# Altium PCB BCS1_REV2.2.PcbDoc (part 4 of 4) (continued)
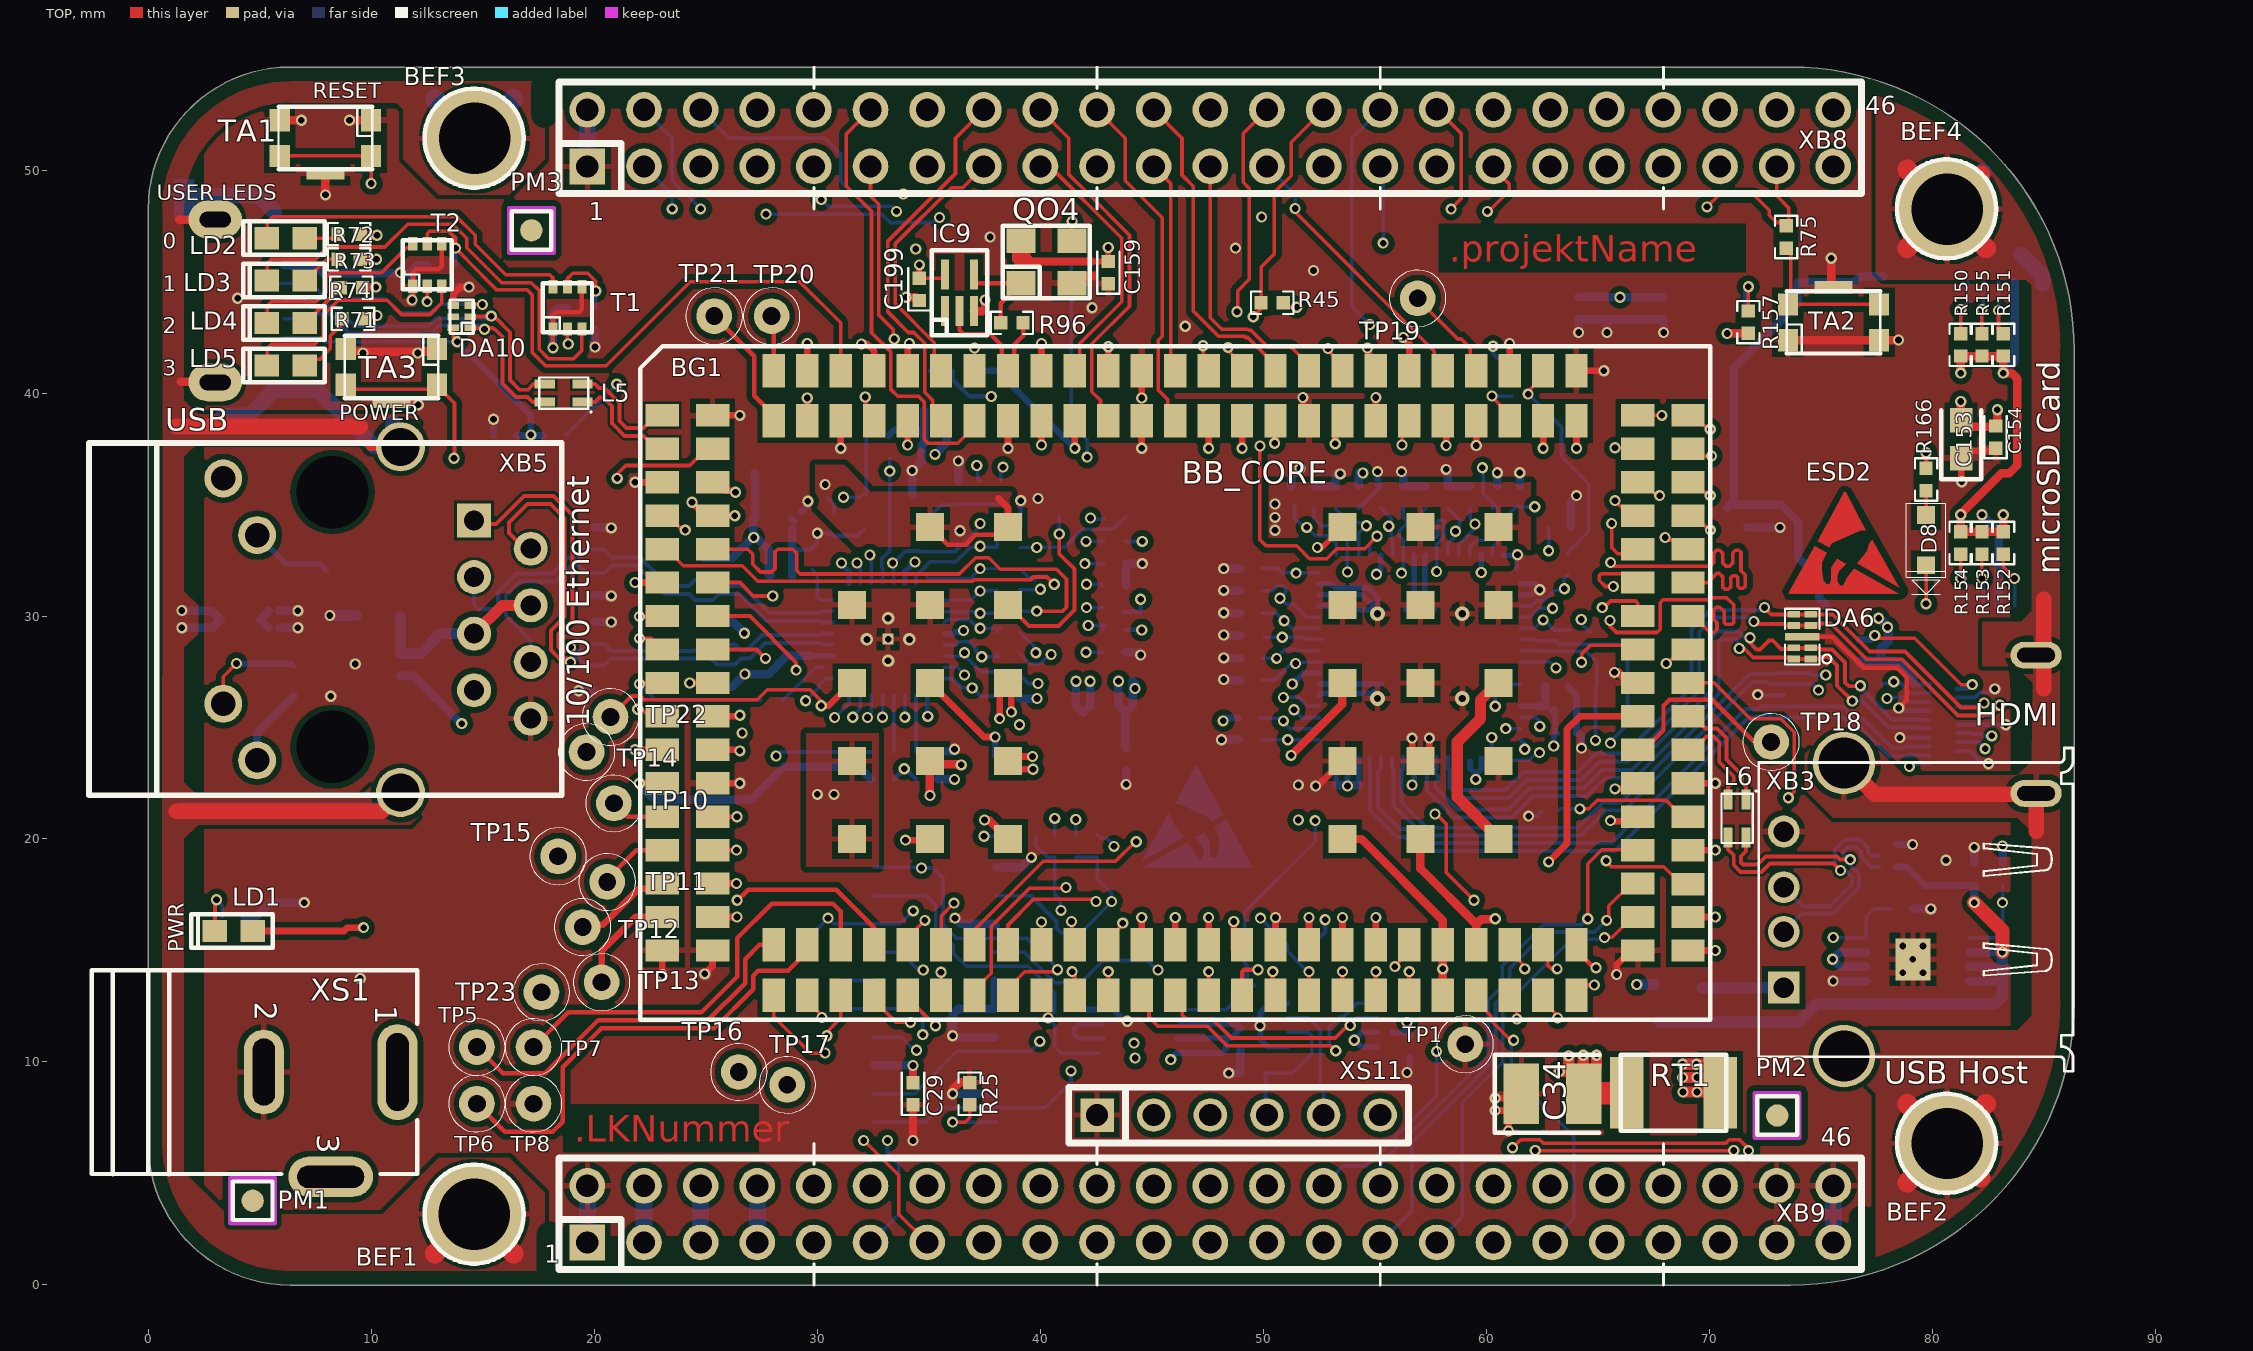
[diagram p0: TOP view]
## Polygon pours and split planes (outlines as drawn)
PE2 on BOTTOM "BOTTOM-GND_EARTH" (solid, remove dead copper, pour order 77): 77.47,52.387 77.46,52.398 77.46,53.361 cw(c73.66,41.91) 85.725,41.91 85.725,41.783 84.425,41.725 84.455,44.831 84.201,45.085 77.788,45.085 77.47,45.402
PE1 on BOTTOM "BOTTOM-GND_EARTH" (solid, remove dead copper, pour order 78): 6.35,0.635 17.648,0.635 17.648,2.25 17.78,2.626 17.78,4.127 16.192,5.715 13.018,5.715 10.477,3.175 3.492,3.175 1.587,5.08 1.587,20.002 2.222,20.637 11.747,20.637 12.383,21.273 12.383,22.543 11.747,23.177 10.795,23.177 9.525,21.907 2.222,21.907 1.587,22.543 1.587,28.575 2.222,29.21 2.222,30.48 1.587,31.115 1.587,37.148 2.222,37.782 9.525,37.782 10.795,36.512 11.747,36.512 12.383,37.148 12.383,38.417 11.747,39.052 9.131,39.052 8.077,40.107 1.587,40.107 1.587,48.26 cw(c6.35,48.26) 6.35,53.023 11.112,53.023 11.43,52.705 11.43,50.482 12.383,49.725 13.018,48.895 16.192,48.895 17.78,50.482 17.78,52.124 17.648,52.5 17.648,53.975 6.35,53.975 ccw(c6.35,48.26) 0.635,48.26 0.635,6.35 ccw(c6.35,6.35)
VDD_3V3B on BOTTOM "BOTTOM-VDD_3V3B 28" (solid, pour order 76): 30.365,34.092 29.702,34.755 29.702,34.95 29.719,34.972 29.735,34.996 29.749,35.022 29.76,35.048 29.769,35.076 29.776,35.104 29.78,35.132 29.782,35.161 29.781,35.19 29.778,35.219 29.772,35.247 29.764,35.275 29.753,35.301 29.74,35.327 29.725,35.352 29.708,35.375 29.702,35.382 29.702,35.801 28.749,35.801 28.749,37.071 30.654,37.071 30.972,36.753 30.972,34.092 30.365,34.092
DGND on BOTTOM "DGND" (solid, remove dead copper, pour order 80): 5,52.75 17.648,52.75 17.648,52.5 ccw(c17.837,52.938) 18.275,52.75 ccw(c18.688,52.913) 18.852,52.5 18.852,52.75 77.25,52.75 77.25,51.875 77.25,50.65 cw(c985.573,533.427) 77.46,51.228 77.46,52.75 78,52.75 83.5,47.25 83.5,8.25 77.46,2.21 ccw(c77.301,1.564) 77.2,2.221 ccw(c77.142,1.778) 77.025,2.21 ccw(c76.9,1.583) 76.775,2.21 ccw(c76.65,1.583) 76.525,2.21 ccw(c76.391,1.537) 76.257,2.21 18.852,2.21 ccw(c18.642,0.698) 18.55,2.221 ccw(c18.417,0.838) 18.275,2.221 ccw(c18.122,-0.778) 17.975,2.221 ccw(c17.815,-1.06) 17.648,2.221 6.915,2.21 2.5,6.625 2.5,50.25
PE2 on BOTTOM "BOTTOM-GND_EARTH" (solid, remove dead copper, pour order 79): 77.47,2.21 77.46,2.2 77.46,1.249 ccw(c73.66,12.7) 85.725,12.7 85.725,41.783 84.455,41.783 84.45,30.15 84.1,29.8 80.8,29.8 80.645,29.591 80.645,27.94 80.963,27.622 83.82,27.622 84.455,26.987 84.455,23.495 83.82,22.86 78.74,22.86 77.153,24.447 74.93,24.447 74.295,23.812 74.295,22.225 75.565,20.955 83.82,20.955 84.455,20.32 84.455,12.065 83.82,11.43 74.93,11.43 74.295,10.795 74.295,9.842 74.93,9.207 76.835,9.207 77.47,8.572
DGND on TOP "DGND" (solid, remove dead copper, pour order 50): 3.25,52.75 17.78,52.75 17.78,51.899 ccw(c17.765,51.884) 17.75,51.898 ccw(c17.75,52.5) 18.352,52.5 18.352,52.75 77.29,52.75 77.275,47.275 83.5,47.25 83.5,8.25 77.47,2.22 77.46,2.21 77.46,2.951 ccw(c76.858,2.951) 76.257,2.951 76.257,2.21 18.602,2.21 18.602,2.25 ccw(c18,2.25) 17.398,2.25 17.398,2.21 4.79,2.21 2.5,4.5 2.5,52
PE2 on TOP "TOP-GND_EARTH" (solid, remove dead copper, pour order 46): 77.47,52.387 77.47,53.175 77.47,53.35 cw(c73.795,42) 85.725,41.91 85.725,41.783 84.455,41.783 84.455,44.831 84.201,45.085 77.788,45.085 77.47,45.402
DGND on TOP "DGND" (solid, remove dead copper, pour order 48): 63.075,31.5 52.175,31.5 52.175,16.275 63.075,16.407
DGND on TOP "TOP-DGND" (solid, remove dead copper, pour order 41): 38.39,43.25 37.8,43.501 37.8,46.05 43.6,46.075 43.6,43.25
VDD_3V3B on TOP "VDD_3V3B" (solid, remove dead copper, pour order 44): 29.9,35.625 29.9,34.925 31.725,33.1 39.82,33.1 39.843,33.077 39.843,35.582 32.393,35.582 31.2,36.775 29.9,36.775
DGND on TOP "DGND" (solid, remove dead copper, pour order 42): 28.975,29.3 35.675,29.3 36.125,29.75 36.125,31.5 35.725,31.9 29.025,31.9 29,31.925
VDD_CORE on TOP "VDD_CORE" (solid, remove dead copper, pour order 45): 62,36 50.25,36 50.25,33.5 54.775,33.5 56.05,32.25 62,32.25
VDD_5V on TOP "VDD_5V" (solid, remove dead copper, pour order 43): 32.75,24.75 32.75,18.75 29.5,18.75 29.5,24.75
PE2 on TOP "TOP-GND_EARTH" (solid, remove dead copper, pour order 47): 77.47,2.21 77.46,2.2 77.46,1.249 ccw(c73.66,12.7) 85.725,12.7 85.725,41.783 84.455,41.783 84.455,30.226 84,29.75 82.25,29.75 82.25,27.75 83.75,27.75 84.5,27 84.455,23.495 83.82,22.86 78.74,22.86 77.153,24.447 74.93,24.447 74.295,23.812 74.295,22.225 75.565,20.955 83.82,20.955 84.455,20.32 84.455,12.065 83.82,11.43 74.93,11.43 74.295,10.795 74.295,9.842 74.93,9.207 76.835,9.207 77.47,8.572
PE1 on TOP "TOP-GND_EARTH" (solid, remove dead copper, pour order 49): 6.35,0.635 17.409,0.635 17.398,0.75 17.398,2.25 cw(c18,2.25) 17.78,2.81 17.78,4.127 16.192,5.715 13.018,5.715 10.477,3.175 3.492,3.175 1.587,5.08 1.587,20.002 2.222,20.637 11.747,20.637 12.383,21.273 12.383,22.543 11.747,23.177 10.795,23.177 9.525,21.907 2.222,21.907 1.587,22.543 1.587,28.575 2.222,29.21 2.222,30.48 1.587,31.115 1.587,37.148 2.222,37.782 9.525,37.782 10.795,36.512 11.747,36.512 12.383,37.148 12.383,38.417 11.747,39.052 2.222,39.052 1.587,39.688 1.587,48.26 cw(c6.35,48.26) 6.35,53.023 11.112,53.023 11.43,52.705 11.43,50.482 13.018,48.895 16.192,48.895 17.78,50.482 17.78,51.899 cw(c17.75,52.5) 17.148,52.5 17.148,53.75 17.192,53.975 6.35,53.975 ccw(c6.35,48.26) 0.635,48.26 0.635,6.35 ccw(c6.35,6.35)
DVI_+5V on LAYER 5_PWR2 "DVI_+5V" (solid, remove dead copper, pour order 65): 67.6,8.025 70.5,8 70.5,25 77.25,25 78.979,23.251 80.25,23.25 80.25,30.25 78.05,30.275 77.75,30.5 67.625,30.5
SYS_5V on LAYER 5_PWR2 "LYR5_PWR-SYS_5V" (solid, pour order 74): 26.035,1.587 26.352,1.27 75.883,1.27 77.153,2.54 77.153,8.268 76.53,8.89 74.613,8.89 73.99,9.512 73.99,11.125 74.613,11.747 83.503,11.747 84.138,12.383 84.138,20.002 83.503,20.637 75.248,20.637 73.978,21.907 73.978,24.143 73.975,24.15 73.975,24.75 70.75,24.75 70.75,7.75 67.25,7.75 67.25,10.75 61,10.75 46.25,10.795 44.25,8.75 37.5,8.75 37.5,5.25 26.5,5.25 26.035,4.763
VDD_3V3B on LAYER 5_PWR2 "LYR5_PWR-VDD_3V3B" (solid, remove dead copper, pour order 75): 21.5,7.5 20.25,7.25 20.25,1.25 25.25,1.25 25.717,1.753 25.717,5.08 26,5.5 36.75,5.5 37,5.75 37,11.5 31.75,11.5 31.75,47.5 32,47.75 73.25,47.75 73.66,47.307 73.66,45.085 73.25,44.75 70,44.75 70,41 70.75,40.25 73.75,37.25 73.75,31 77.75,31 78.25,30.5 83.5,30.5 83.925,30.875 83.85,44.525 83.503,44.767 77.47,44.767 77.153,45.085 77.153,52.07 75.883,53.34 18.732,53.34 18.098,52.705 18.098,50.165 16.51,48.578 12.7,48.578 11.112,50.165 11.112,52.387 10.795,52.705 6.35,52.705 ccw(c6.35,48.26) 1.905,48.26 1.905,40.005 2.54,39.37 12.065,39.37 12.7,38.735 12.7,37.592 12.954,37.338 23.241,37.338 23.622,36.957 23.622,27.305 23.241,26.924 21.463,26.924 21.5,19.25
DGND on LAYER 5_PWR2 "DGND" (solid, remove dead copper, pour order 64): 66.5,47.5 66.5,31 73.5,31 73.5,37 69.75,40.75 69.75,45 73,45 73.25,45.25 73.25,47.25 73,47.5
HDMI_1V8 on LAYER 5_PWR2 "LYR5_PWR-HDMI_1V8" (solid, pour order 73): 54,32.25 54,47.5 66.25,47.5 66.25,23.25 65,22 53.25,22 52.25,23.25 51.25,25 43.25,25 43.25,27.5 45.75,27.5 46.75,28.5 46.75,31.25 53.25,31.5
VDD_3V3A on LAYER 5_PWR2 "LYR5_PWR-VDD_3V3A" (solid, pour order 72): 52.75,31.5 53.75,32.5 53.75,47.5 32.25,47.5 32,47.25 32,32.5 32.75,31.5
DGND on LAYER 5_PWR2 "DGND" (solid, remove dead copper, pour order 71): 37.5,19 45,19 45.25,19.25 48.5,22.5 50.75,22.5 52.25,22.5 53,21.75 55,21.75 65.5,21.75 67.25,21.75 67.25,11.25 45.25,11.25 44.5,10.5 43.75,9.75 40.25,9.75 37.5,9.75
DGND on LAYER 5_PWR2 "DGND" (solid, remove dead copper, pour order 70): 2.5,4.5 2.5,20.25 11.75,20.25 12.75,21.25 12.75,23 20.75,23 20.75,8 20.5,7.75 20,7.75 19.75,7.75 18.5,6.5 13.5,6.5 12.5,6.5 11.75,5.75 10.5,4.5 8.25,4.5
PE2 on LAYER 5_PWR2 "PWR-GND_EARTH" (solid, pour order 68): 77.47,2.21 77.404,2.143 77.404,1.23 ccw(c73.66,12.7) 85.725,12.7 85.725,41.91 ccw(c73.66,41.91) 77.254,53.427 77.254,52.775 77.213,52.645 77.47,52.387 77.47,45.402 77.788,45.085 84.201,45.085 84.455,44.831 84.45,41.775 84.455,41.775 84.455,30.226 84.074,29.845 80.899,29.845 80.645,29.591 80.645,27.94 80.963,27.622 83.82,27.622 84.455,26.987 84.455,23.495 83.82,22.86 78.74,22.86 77.153,24.447 74.93,24.447 74.295,23.812 74.295,22.225 75.565,20.955 83.82,20.955 84.455,20.32 84.455,12.065 83.82,11.43 74.93,11.43 74.295,10.795 74.295,9.842 74.93,9.207 76.835,9.207 77.47,8.572
VDD_PHYA on LAYER 5_PWR2 "LYR5_PWR-VDD_PHYA" (solid, remove dead copper, pour order 69): 1.905,22.86 2.54,22.225 9.271,22.225 10.541,23.495 17.653,23.495 21.336,27.178 23.114,27.178 23.368,27.432 23.368,36.83 23.114,37.084 12.954,37.084 12.065,36.195 10.541,36.195 9.271,37.465 2.54,37.465 1.905,36.83 1.905,31.432 2.54,30.797 2.54,28.892 1.905,28.258
VDD_3V3B on LAYER 5_PWR2 "VDD_3V3B" (solid, remove dead copper, pour order 66): 31.75,31.865 32.25,31.365 32.25,31.25 46.5,31.25 46.5,28.75 45.5,27.75 37,27.75 37,21.75 37,11.5 31.75,11.5
VDD_1V8 on LAYER 5_PWR2 "VDD_1V8" (solid, remove dead copper, pour order 62): 43,27.5 43,22 37,22 37.25,22.25 37.25,27.5
VDD_S on LAYER 5_PWR2 "VDD_S" (solid, remove dead copper, pour order 63): 37.25,21.75 43.25,21.75 46,24.5 51.75,24.5 51.75,23 48.25,23 44.75,19.5 37.25,19.5
PE1 on LAYER 5_PWR2 "PWR-GND_EARTH" (solid, pour order 67): 6.35,0.635 18.121,0.635 18.121,1.246 17.78,1.587 17.78,4.127 16.192,5.715 13.018,5.715 10.477,3.175 3.492,3.175 1.587,5.08 1.587,20.002 2.222,20.637 11.747,20.637 12.383,21.273 12.383,22.543 11.747,23.177 10.795,23.177 9.525,21.907 2.222,21.907 1.587,22.543 1.587,28.575 2.222,29.21 2.222,30.48 1.587,31.115 1.587,37.148 2.222,37.782 9.525,37.782 10.795,36.512 11.747,36.512 12.383,37.148 12.383,38.417 11.747,39.052 2.222,39.052 1.587,39.688 1.587,48.26 cw(c6.35,48.26) 6.35,53.023 11.112,53.023 11.43,52.705 11.43,50.482 13.018,48.895 16.192,48.895 17.78,50.482 17.78,52.988 17.771,53.05 17.771,53.975 6.35,53.975 ccw(c6.35,48.26) 0.635,48.26 0.635,6.35 ccw(c6.35,6.35)
PE1 on LAYER 4_PWR1 "GND-GND_EARTH" (solid, remove dead copper, pour order 57): 6.35,0.635 17.796,0.635 17.796,1.571 17.78,1.587 17.78,4.127 16.192,5.715 13.018,5.715 10.477,3.175 3.492,3.175 1.587,5.08 1.587,20.002 2.222,20.637 11.747,20.637 12.383,21.273 12.383,22.543 11.747,23.177 10.795,23.177 9.525,21.907 2.222,21.907 1.587,22.543 1.587,28.575 2.222,29.21 2.222,30.48 1.587,31.115 1.587,37.148 2.222,37.782 9.525,37.782 10.795,36.512 11.747,36.512 12.383,37.148 12.383,38.417 11.747,39.052 2.222,39.052 1.587,39.688 1.587,48.26 cw(c6.35,48.26) 6.35,53.023 11.112,53.023 11.43,52.705 11.43,50.482 13.018,48.895 16.192,48.895 17.78,50.482 17.78,53.975 6.35,53.975 ccw(c6.35,48.26) 0.635,48.26 0.635,6.35 ccw(c6.35,6.35)
VDD_CORE on LAYER 4_PWR1 "VDD_CORE" (solid, remove dead copper, pour order 53): 51.25,36 51.25,33.5 49,33.5 41,25.5 29.75,25.5 29.75,27.25 39,27.25 47.75,36
VDD_5V on LAYER 4_PWR1 "VDD_5V" (solid, remove dead copper, pour order 56): 31.75,22.5 31.75,21.5 16.5,21.5 14,19 8.75,19 8.75,14.25 12.75,14.25 12.75,6.25 5,6.25 5,20.25 12.25,20.25 15.5,23.5 26.25,23.5 27.25,22.5
VDD_3V3A on LAYER 4_PWR1 "VDD_3V3A" (solid, remove dead copper, pour order 58): 9.25,18.75 9.25,14.75 39,14.75 44.75,9 49.5,9 49.5,22.75 53.75,27 53.75,35.25 53.5,35.5 50.5,35.5 50.5,34.5 37.25,21.25 17.25,21.25 14.75,18.75
SYS_5V on LAYER 4_PWR1 "SYS_5V" (solid, remove dead copper, pour order 55): 29.25,25.25 29.25,27.25 27.5,29 14.5,42 12,44.5 12,46.5 12,47.25 11.5,47.75 11.25,48 10,48 9.25,48 9.25,41.25 13.75,36.75 25.25,25.25 25.5,25.25 25.938,25.25 26,25.188
DGND on LAYER 4_PWR1 "DGND" (solid, remove dead copper, pour order 59): 3.25,52.75 17.755,52.75 17.755,52.43 ccw(c17.984,52.43) 18.213,52.43 18.213,52.75 77.146,52.75 77.604,52.75 78,52.75 83.5,47.25 83.5,8.25 78.75,3.5 77.47,2.22 4.79,2.21 2.5,4.5 2.5,52
SYS_5V on LAYER 4_PWR1 "SYS_5V" (solid, remove dead copper, pour order 51): 37,21.5 32,21.5 32,22.75 27.5,22.75 25.25,25 25.25,25.25 40.75,25.25
PE2 on LAYER 4_PWR1 "GND-GND_EARTH" (solid, remove dead copper, pour order 52): 77.47,45.402 77.47,52.017 77.47,52.225 77.47,52.4 77.47,53.358 77.699,53.279 cw(c73.66,41.91) 85.725,41.91 84.455,41.91 84.455,44.831 84.201,45.085 77.788,45.085
PE2 on LAYER 4_PWR1 "PE2" (solid, remove dead copper, pour order 54): 77.46,2.2 77.579,2 77.579,1.289 ccw(c73.66,12.7) 85.725,12.7 85.725,41.91 84.455,41.91 84.455,30.226 84.074,29.845 80.899,29.845 80.645,29.591 80.645,27.94 80.963,27.622 83.82,27.622 84.455,26.987 84.455,23.495 83.82,22.86 78.85,22.875 76.75,24.975 75.225,24.975 74.175,23.9 74.175,22.225 75.425,20.95 83.82,20.955 84.455,20.32 84.455,12.065 83.82,11.43 74.93,11.43 74.295,10.795 74.295,9.842 74.93,9.207 76.835,9.207 77.47,8.572 77.47,2.21
DGND on LAYER 3 "DGND" (solid, remove dead copper, pour order 60): 2.5,5 2.5,52 3.25,52.75 23.25,52.75 78,52.75 83.5,47.25 83.5,39.5 83.5,8.25 78.75,3.5 77.47,2.22 77.47,2.21 4.79,2.21 2.5,4.5 2.5,5.25
DGND on LAYER 6 "DGND" (solid, remove dead copper, pour order 61): 2.5,5 2.5,52 3.25,52.75 23.25,52.75 78,52.75 83.5,47.25 83.5,39.5 83.5,8.25 78.75,3.5 77.47,2.22 77.47,2.21 4.79,2.21 2.5,4.5 2.5,5.25
DGND on LAYER 2 (Plane1) (split plane): 74.139,54.105 74.618,54.077 75.094,54.03 75.569,53.964 76.041,53.88 76.509,53.777 76.973,53.656 77.431,53.517 77.884,53.36 78.33,53.185 78.77,52.993 79.201,52.784 79.623,52.558 80.037,52.316 80.44,52.058 80.834,51.784 81.216,51.494 81.586,51.19 81.944,50.872 82.29,50.54 82.622,50.194 82.94,49.836 83.244,49.466 83.534,49.084 83.808,48.69 84.066,48.287 84.308,47.873 84.534,47.451 84.743,47.02 84.935,46.58 85.11,46.134 85.267,45.681 85.406,45.223 85.527,44.759 85.63,44.291 85.714,43.819 85.78,43.344 85.827,42.868 85.855,42.389 85.864,41.929 85.862,41.91 85.862,12.7 85.864,12.681 85.855,12.221 85.827,11.742 85.78,11.266 85.714,10.791 85.63,10.319 85.527,9.851 85.406,9.387 85.267,8.929 85.11,8.476 84.935,8.03 84.743,7.59 84.534,7.159 84.308,6.737 84.066,6.323 83.808,5.92 83.534,5.526 83.244,5.144 82.94,4.774 82.622,4.416 82.29,4.07 81.944,3.738 81.586,3.42 81.216,3.116 80.834,2.826 80.44,2.552 80.037,2.294 79.623,2.052 79.201,1.826 78.77,1.617 78.33,1.425 77.884,1.25 77.431,1.093 76.973,0.954 76.509,0.833 76.041,0.73 75.569,0.646 75.094,0.58 74.618,0.533 74.139,0.505 73.679,0.496 73.66,0.498 6.35,0.498 6.332,0.496 6.022,0.505 5.695,0.532 5.369,0.578 5.047,0.642 4.729,0.724 4.416,0.824 4.11,0.941 3.81,1.075 3.518,1.226 3.235,1.393 2.962,1.575 2.7,1.773 2.449,1.985 2.21,2.21 1.985,2.449 1.773,2.7 1.575,2.962 1.393,3.235 1.226,3.518 1.075,3.81 0.941,4.11 0.824,4.416 0.724,4.729 0.642,5.047 0.578,5.369 0.532,5.695 0.505,6.022 0.496,6.332 0.498,6.35 0.498,48.26 0.496,48.278 0.505,48.588 0.532,48.915 0.578,49.241 0.642,49.563 0.724,49.881 0.824,50.194 0.941,50.5 1.075,50.8 1.226,51.092 1.393,51.375 1.575,51.648 1.773,51.91 1.985,52.161 2.21,52.4 2.449,52.625 2.7,52.837 2.962,53.035 3.235,53.217 3.518,53.384 3.81,53.535 4.11,53.669 4.416,53.786 4.729,53.886 5.047,53.968 5.369,54.032 5.695,54.078 6.022,54.105 6.332,54.114 6.35,54.112 73.66,54.112 73.679,54.114
DGND on LAYER 7 (Plane2) (split plane): 74.139,54.105 74.618,54.077 75.094,54.03 75.569,53.964 76.041,53.88 76.509,53.777 76.973,53.656 77.431,53.517 77.884,53.36 78.33,53.185 78.77,52.993 79.201,52.784 79.623,52.558 80.037,52.316 80.44,52.058 80.834,51.784 81.216,51.494 81.586,51.19 81.944,50.872 82.29,50.54 82.622,50.194 82.94,49.836 83.244,49.466 83.534,49.084 83.808,48.69 84.066,48.287 84.308,47.873 84.534,47.451 84.743,47.02 84.935,46.58 85.11,46.134 85.267,45.681 85.406,45.223 85.527,44.759 85.63,44.291 85.714,43.819 85.78,43.344 85.827,42.868 85.855,42.389 85.864,41.929 85.862,41.91 85.862,12.7 85.864,12.681 85.855,12.221 85.827,11.742 85.78,11.266 85.714,10.791 85.63,10.319 85.527,9.851 85.406,9.387 85.267,8.929 85.11,8.476 84.935,8.03 84.743,7.59 84.534,7.159 84.308,6.737 84.066,6.323 83.808,5.92 83.534,5.526 83.244,5.144 82.94,4.774 82.622,4.416 82.29,4.07 81.944,3.738 81.586,3.42 81.216,3.116 80.834,2.826 80.44,2.552 80.037,2.294 79.623,2.052 79.201,1.826 78.77,1.617 78.33,1.425 77.884,1.25 77.431,1.093 76.973,0.954 76.509,0.833 76.041,0.73 75.569,0.646 75.094,0.58 74.618,0.533 74.139,0.505 73.679,0.496 73.66,0.498 6.35,0.498 6.332,0.496 6.022,0.505 5.695,0.532 5.369,0.578 5.047,0.642 4.729,0.724 4.416,0.824 4.11,0.941 3.81,1.075 3.518,1.226 3.235,1.393 2.962,1.575 2.7,1.773 2.449,1.985 2.21,2.21 1.985,2.449 1.773,2.7 1.575,2.962 1.393,3.235 1.226,3.518 1.075,3.81 0.941,4.11 0.824,4.416 0.724,4.729 0.642,5.047 0.578,5.369 0.532,5.695 0.505,6.022 0.496,6.332 0.498,6.35 0.498,48.26 0.496,48.278 0.505,48.588 0.532,48.915 0.578,49.241 0.642,49.563 0.724,49.881 0.824,50.194 0.941,50.5 1.075,50.8 1.226,51.092 1.393,51.375 1.575,51.648 1.773,51.91 1.985,52.161 2.21,52.4 2.449,52.625 2.7,52.837 2.962,53.035 3.235,53.217 3.518,53.384 3.81,53.535 4.11,53.669 4.416,53.786 4.729,53.886 5.047,53.968 5.369,54.032 5.695,54.078 6.022,54.105 6.332,54.114 6.35,54.112 73.66,54.112 73.679,54.114

## Other copper
TOP:
  text ".projektName" at 58.35,45.9 h1.2
  text ".LKNummer" at 19.1,6.425 h1.2
BOTTOM:
  rectangle net PE1: 1.143,47.866 2.057,49.604

## Silkscreen, mask and mechanical layers (free items; w line width, h text height)
Top Overlay:
  lines w0.127: 29.845,0 29.845,0.953 ; 29.845,5.397 29.845,6.35 ; 29.845,48.26 29.845,49.212 ; 29.845,53.657 29.845,54.61 ; 42.545,0 42.545,0.953 ; 42.545,5.397 42.545,6.35 ; 42.545,48.26 42.545,49.212 ; 42.545,53.657 42.545,54.61 ; 55.245,0 55.245,0.953 ; 55.245,5.397 55.245,6.35 ; 55.245,48.26 55.245,49.212 ; 55.245,53.657 55.245,54.61 ; 67.945,0 67.945,0.953 ; 67.945,5.397 67.945,6.35 ; 67.945,48.26 67.945,49.212 ; 67.945,53.657 67.945,54.61
  text "RESET" at 7.366,53.213 h0.71
  text "USER LEDS" at 0.381,48.641 h0.71
  text "0" at 0.635,46.482 h0.71
  text "1" at 0.635,44.577 h0.71
  text "2" at 0.635,42.672 h0.71
  text "3" at 0.635,40.767 h0.71
  text "POWER" at 8.55,38.775 h0.71
  text "USB" at 0.75,38.3 h1.02
  text "BB_CORE" at 46.35,35.925 h1.02
  text "microSD Card" at 85.725,31.877 h1.02 r90
  text "HDMI" at 81.915,25.082 h1.02
  text "10/100 Ethernet" at 19.775,25.025 h1.02 r90
  text "PWR" at 1.587,14.922 h0.71 r90
  text "USB Host" at 77.851,9.017 h1.02
Bottom Overlay:
  lines w0.025: 76.835,48.895 18.415,48.895 18.415,53.975 76.835,53.975 ; 18.415,0.635 76.835,0.635 76.835,5.715 29.845,5.715 18.415,5.715 18.415,0.635
  lines w0.127: 29.845,2.667 29.845,3.619 ; 29.845,50.959 29.845,51.911 ; 42.545,50.959 42.545,51.911 ; 55.245,2.667 55.245,3.619 ; 55.245,50.959 55.245,51.911 ; 67.945,2.667 67.945,3.619
Bottom Paste:
  rectangle: 31.525,27.315 34.825,30.625
  rectangle: 78.359,13.665 79.908,15.545
Mechanical 1:
  lines w0.025: 0,6.35 ccw(c6.35,6.35) 6.35,0 73.66,0 ccw(c73.66,12.7) 86.36,12.7 86.36,41.91 ccw(c73.66,41.91) 73.66,54.61 6.35,54.61 ccw(c6.35,48.26) 0,48.26 0,6.35
Mechanical 2:
  circle w0.3: c11.305,22.085 r2.501
  circle w0.3: c11.305,37.59 r2.501
  circle w0.3: c4.875,23.525 r2.501
  circle w0.3: c3.355,26.065 r2.501
  circle w0.3: c3.355,36.17 r2.501
  circle w0.3: c4.875,33.63 r2.501
  circle w0.3: c17.145,27.94 r2.501
  circle w0.3: c17.145,30.48 r2.501
  circle w0.3: c17.145,33.02 r2.501
  circle w0.3: c14.605,34.29 r2.501
  circle w0.3: c14.605,31.75 r2.501
  circle w0.3: c14.605,26.67 r2.501
  circle w0.3: c17.145,25.4 r2.501
  circle w0.3: c76.043,23.405 r2.501
  circle w0.3: c73.343,20.335 r2.501
  circle w0.3: c73.343,17.835 r2.501
  circle w0.3: c73.343,15.835 r2.501
  circle w0.3: c76.043,10.265 r2.501
  circle w0.3: c73.343,13.335 r2.501
BODY TOP 3D:
  lines w0.025: -0.635,0 0.635,0 ; 0,-0.635 0,0.635
Fabrication Notes 6:
  lines w0.2: 103.75,97.275 125.75,97.275 ; 103.75,103.275 125.75,103.275 ; 103.75,109.275 125.75,109.275 ; 119.65,86.525 265.3,86.525 265.3,91.775 ; 119.65,91.775 265.3,91.775 ; 119.65,97.275 265.3,97.275 ; 119.65,103.275 265.3,103.275 ; 119.65,109.275 265.3,109.275 ; 119.65,121.275 265.3,121.275 265.3,91.775 ; 119.75,86.525 119.75,121.275 ; 125.75,86.525 103.75,86.525 103.75,91.775 ; 125.75,91.775 103.75,91.775 ; 125.75,121.275 103.75,121.275 103.75,91.775 ; 137.625,86.5 137.625,93.25 ; 137.625,91.75 137.625,121.25 ; 165.725,86.425 165.725,92.425 ; 165.725,91.675 165.725,121.175 ; 197.025,86.55 197.025,92.3 ; 197.025,91.8 197.025,121.3 ; 240.325,86.575 240.325,92.325 ; 240.325,91.825 240.325,121.325
  lines w0.25: -13.326,111.6 97.351,111.6 ; -13.326,115.95 97.351,115.95 ; -14.85,63.375 ccw(c-13.45,63.375) -13.45,61.975 97.475,61.975 ccw(c97.475,63.375) 98.875,63.375 98.875,119.975 ccw(c97.475,119.975) 97.475,121.375 -13.45,121.375 ccw(c-13.45,119.975) -14.85,119.975 -14.85,63.375
  text "Layer Stack Up Detail for: BB116_REV2.0.PcbDoc" at -13.326,117.147 h2.05
  text "TOLERANCE" at 243.325,116.325 h2.5
  text "TARGET" at 216.025,116.3 h2.5
  text "LAYERS" at 105.75,116.275 h2.5
  text "Referenz" at 121.65,116.275 h2.5
  text "TRACE WIDTH" at 139.875,116.175 h2.5
  text "DIFF PAIR" at 175.725,116.175 h2.5
  text "Layer" at -13.326,114.325 h1
  text "Gerber" at 14.062,114.325 h1
  text "Copper" at 27.84,114.325 h1
  text "Dielectric" at 43.252,114.325 h1
  text "Dielectric" at 59.363,114.325 h1
  text "Dielectric" at 79.753,114.325 h1
  text "Name" at -13.326,112.325 h1
  text "Document" at 14.062,112.325 h1
  text "Thickness" at 27.84,112.325 h1
  text "Height" at 43.252,112.325 h1
  text "Material" at 59.363,112.325 h1
  text "Type" at 79.753,112.325 h1
  text "(ohms)" at 247.325,111.325 h2.5
  text "IMPEDANCE" at 213.025,111.3 h2.5
  text "(mm)" at 146.875,111.175 h2.5
  text "SPACING (mm)" at 168.725,111.175 h2.5
  text "LAYERS" at 122.6,110.325 h2.5
  text "Top Solder Mask" at -13.326,109.248 h1.4
  text "(.GTS)" at 14.062,109.248 h1.4
  text "0.0102mm" at 43.252,109.248 h1.4
  text "Solder Resist" at 59.363,109.248 h1.4
  text "+/- 10" at 247.325,104.825 h2.5
  text "TOP" at -13.326,104.793 h1.4
  text "(.GTL)" at 14.062,104.793 h1.4
  text "0.035mm" at 27.84,104.793 h1.4
  text "0,177" at 177.7,104.7 h2.5
  text "1,8" at 109.75,104.525 h2.5
  text "2,7" at 125.65,104.525 h2.5
  text "0,177" at 150.425,104.425 h2.5
  text "100 ohm DIFFERENTIAL" at 199.775,104.35 h2.5
  text "0.122mm" at 43.252,102.565 h1.4
  text "FR-4" at 59.363,102.565 h1.4
  text "PrePreg" at 79.753,102.565 h1.4
  text "LAYER 2 (Plane1)" at -13.326,100.338 h1.4
  text "(.GP1)" at 14.062,100.338 h1.4
  text "0.035mm" at 27.84,100.338 h1.4
  text "3,6" at 109.75,99.275 h2.5
  text "2,4" at 125.65,99.275 h2.5
  text "0,11" at 150.425,98.925 h2.5
  text "100 ohm DIFFERENTIAL" at 199.775,98.85 h2.5
  text "0,21" at 177.7,98.8 h2.5
  text "+/- 10" at 247.325,98.575 h2.5
  text "0.25mm" at 43.252,98.11 h1.4
  text "FR-4" at 59.363,98.11 h1.4
  text "Core" at 79.753,98.11 h1.4
  text "LAYER 3" at -13.326,95.883 h1.4
  text "(.G1)" at 14.062,95.883 h1.4
  text "0.035mm" at 27.84,95.883 h1.4
  text "+/- 9" at 247.3,94.075 h2.5
  text "0,12" at 177.675,93.95 h2.5
  text "1,8" at 109.725,93.775 h2.5
  text "2,7" at 125.625,93.775 h2.5
  text "0,177" at 150.4,93.675 h2.5
  text "0.2mm" at 43.252,93.655 h1.4
  text "FR-4" at 59.363,93.655 h1.4
  text "PrePreg" at 79.753,93.655 h1.4
  text "90 ohm DIFFERENTIAL" at 199.75,93.6 h2.5
  text "LAYER 4_PWR1" at -13.326,91.428 h1.4
  text "(.G2)" at 14.062,91.428 h1.4
  text "0.035mm" at 27.84,91.428 h1.4
  text "0.25mm" at 43.252,89.2 h1.4
  text "FR-4" at 59.363,89.2 h1.4
  text "Core" at 79.753,89.2 h1.4
  text "0,11" at 150.4,88.175 h2.5
  text "2,4" at 125.7,88.15 h2.5
  text "90 ohm DIFFERENTIAL" at 199.75,88.1 h2.5
  text "0,154" at 177.675,88.05 h2.5
  text "3,6" at 109.775,87.875 h2.5
  text "+/- 9" at 247.3,87.825 h2.5
  text "LAYER 5_PWR2" at -13.326,86.973 h1.4
  text "(.G3)" at 14.062,86.973 h1.4
  text "0.035mm" at 27.84,86.973 h1.4
  text "0.2mm" at 43.252,84.745 h1.4
  text "FR-4" at 59.363,84.745 h1.4
  text "PrePreg" at 79.753,84.745 h1.4
  text "LAYER 6" at -13.326,82.518 h1.4
  text "(.G4)" at 14.062,82.518 h1.4
  text "0.035mm" at 27.84,82.518 h1.4
  text "0.25mm" at 43.252,80.29 h1.4
  text "FR-4" at 59.363,80.29 h1.4
  text "Core" at 79.753,80.29 h1.4
  text "LAYER 7 (Plane2)" at -13.326,78.063 h1.4
  text "(.GP2)" at 14.062,78.063 h1.4
  text "0.035mm" at 27.84,78.063 h1.4
  text "0.122mm" at 43.252,75.835 h1.4
  text "FR-4" at 59.363,75.835 h1.4
  text "PrePreg" at 79.753,75.835 h1.4
  text "BOTTOM" at -13.326,73.608 h1.4
  text "(.GBL)" at 14.062,73.608 h1.4
  text "0.035mm" at 27.84,73.608 h1.4
  text "Bottom Solder Mask" at -13.326,69.153 h1.4
  text "(.GBS)" at 14.062,69.153 h1.4
  text "0.0102mm" at 43.252,69.153 h1.4
  text "Solder Resist" at 59.363,69.153 h1.4
  text "Board info" at 106.954,67.479 h1.52
  text "Minimum Track: 0,1mm" at 106.954,64.979 h1.52
  text "Minimum Gap: 0,1mm" at 106.954,62.479 h1.52
  text "Minimum Through Hole VIA: 0.5mm (pad) / 0.3mm (drill)" at 106.954,59.979 h1.52
  text "1. REMOVE ALL NON-FUNCTIONAL INNER LAYER PADS." at 106.954,55.479 h1.52
  text "2. FINISHED PANEL THICKNESS IS NOT CRITICAL: TO BE APPROXIMATELY 1.6mm" at 106.754,50.404 h1.52
  text "3. BOARD FINISH: IMMERSION Au/ELECTROLESS Ni; 0.05-0.12 um GOLD; 3-6um NICKEL" at 106.754,45.404 h1.52
  text "4. SOLDER RESIST: APPLY TO BOTH SIDES COLOUR - GREEN" at 106.6,41.85 h1.52
  text "5. UL-MARK, FILE NUMBER: ON SOLDER MASK" at 106.8,38.65 h1.52
  text "6. FRAME ON long SIDES 5mm" at 106.65,35.575 h1.52
  text "- FIDUCIAL DIAMTER 1-1.5MM, SOLDER MASK OPENING AT LEAST 1MM GREATER THAN FIDUCIAL" at 111.15,33.225 h1.52
  text "- MINIMUM 4MM DISTANCE FROM THE PANEL EDGE" at 111.15,30.8 h1.52
  text "- PLACE ONE FIDUCIAL INTO EACH PANEL CORNER (TWO ON THE TOP AND TWO  ON THE BOTTOM LAYER)" at 111.2,28.625 h1.52
DIMENSION 7:
  lines w0.025: -6.648,61.887 1.905,53.34 ; -11.963,0 -2.54,0 -11.963,0 ; -11.455,51.435 12.065,51.435 -11.455,51.435 ; -11.455,54.61 3.81,54.61 -11.455,54.61 ; 0,-11.963 0,-2.54 0,-11.963 ; 86.36,-11.455 86.36,10.16 86.36,-11.455
  lines w0.2: -10.458,61.887 -6.648,61.887 1.905,53.34 ; 94.278,60.617 90.468,60.617 81.915,52.07 ; 1.905,53.34 -0.341,56.482 -1.239,55.584 1.905,53.34 ; 81.915,52.07 84.161,55.212 85.059,54.314 81.915,52.07
  text "R6.35mm 2X" at -20.775,62.875 h2.54
  text "R12.7mm  2X" at 95.548,59.347 h2.54
Mechanical 15:
  drawing of 24 lines, arcs and shapes, not listed
  text "Computer Module" at 146.825,-47 h1.8
  text ".ieS_REV" at 77.325,-48 h4
  text "REV." at 91.825,-48 h4
  text ".lkNummer" at 77.325,-55.5 h4
  text "LK:" at 91.825,-55.5 h4
  text ".projektName" at 146.825,-55.5 h4
  text ".Printout_Name" at 146.825,-61 h1.5
  text "- BS(4)" at 70.575,-63.75 h4
  text ".ProjektNummer" at 91.825,-63.75 h4
Mechanical 16:
  drawing of 24 lines, arcs and shapes, not listed
  text "Computer Module" at 97.625,-47 h1.8
  text "REV." at 152.625,-48 h4
  text ".ieS_REV" at 167.125,-48 h4
  text ".projektName" at 97.625,-55.5 h4
  text "LK:" at 152.625,-55.5 h4
  text ".lkNummer" at 167.125,-55.5 h4
  text ".Printout_Name" at 97.625,-61 h1.5
  text ".ProjektNummer" at 152.625,-63.75 h4
  text "- BS(4)" at 173.875,-63.75 h4
Drill Drawing:
  text ".Legend" at 103.475,-39.7 h2

## Dimensions
73.66,-0.013 to 80.673,48.25 on DIMENSION 7
73.66,-0.013 to 76.043,23.405 on DIMENSION 7
73.66,-0.013 to 76.043,10.265 on DIMENSION 7
73.66,-0.013 to 80.673,6.34 on DIMENSION 7
-0.025,1.575 to 86.373,41.91 on DIMENSION 7
-0.025,1.575 to 80.673,6.34 on DIMENSION 7
-0.025,1.575 to 42.545,7.62 on DIMENSION 7
-0.025,1.575 to 19.685,1.905 on DIMENSION 7
-0.025,15.2 to 14.605,3.175 on DIMENSION 7
1.375,-0.013 to 14.633,51.425 on DIMENSION 7
1.375,-0.013 to 11.305,37.59 on DIMENSION 7
3.525,-0.013 to 11.305,22.085 on DIMENSION 7
7.4,-0.025 to 5.174,9.548 on DIMENSION 7
6.35,-0.013 to 14.605,3.175 on DIMENSION 7
6.35,54.623 to 6.35,-0.013 on DIMENSION 7

## Text inside footprints (layer, text, board x,y; h text height)
XB6: Mechanical 2 "pcb-edge" at 87.16,28.446 h0.7 r90
XB8: Top Overlay "1" at 19.75,47.75 h0.8; Top Overlay "46" at 77,52.5 h0.8
XB9: Top Overlay "1" at 17.75,1 h0.8; Top Overlay "46" at 75,6.25 h0.8
XB10: Bottom Overlay "mating" at 88.32,38.001 h1 r90; Bottom Overlay "eject" at 91.645,38.001 h1 r90
XS1: Top Overlay "2" at 4.774,12.698 h1 r270; Top Overlay "1" at 10.174,12.548 h1 r270; Top Overlay "3" at 7.574,6.748 h1 r270
XS2: Bottom Overlay "2" at 38.75,6.25 h1 r90; Bottom Overlay "1" at 32.272,6 h1 r90